# Altium PCB Shuttler_AMC.PcbDoc (part 6 of 12) (continued)
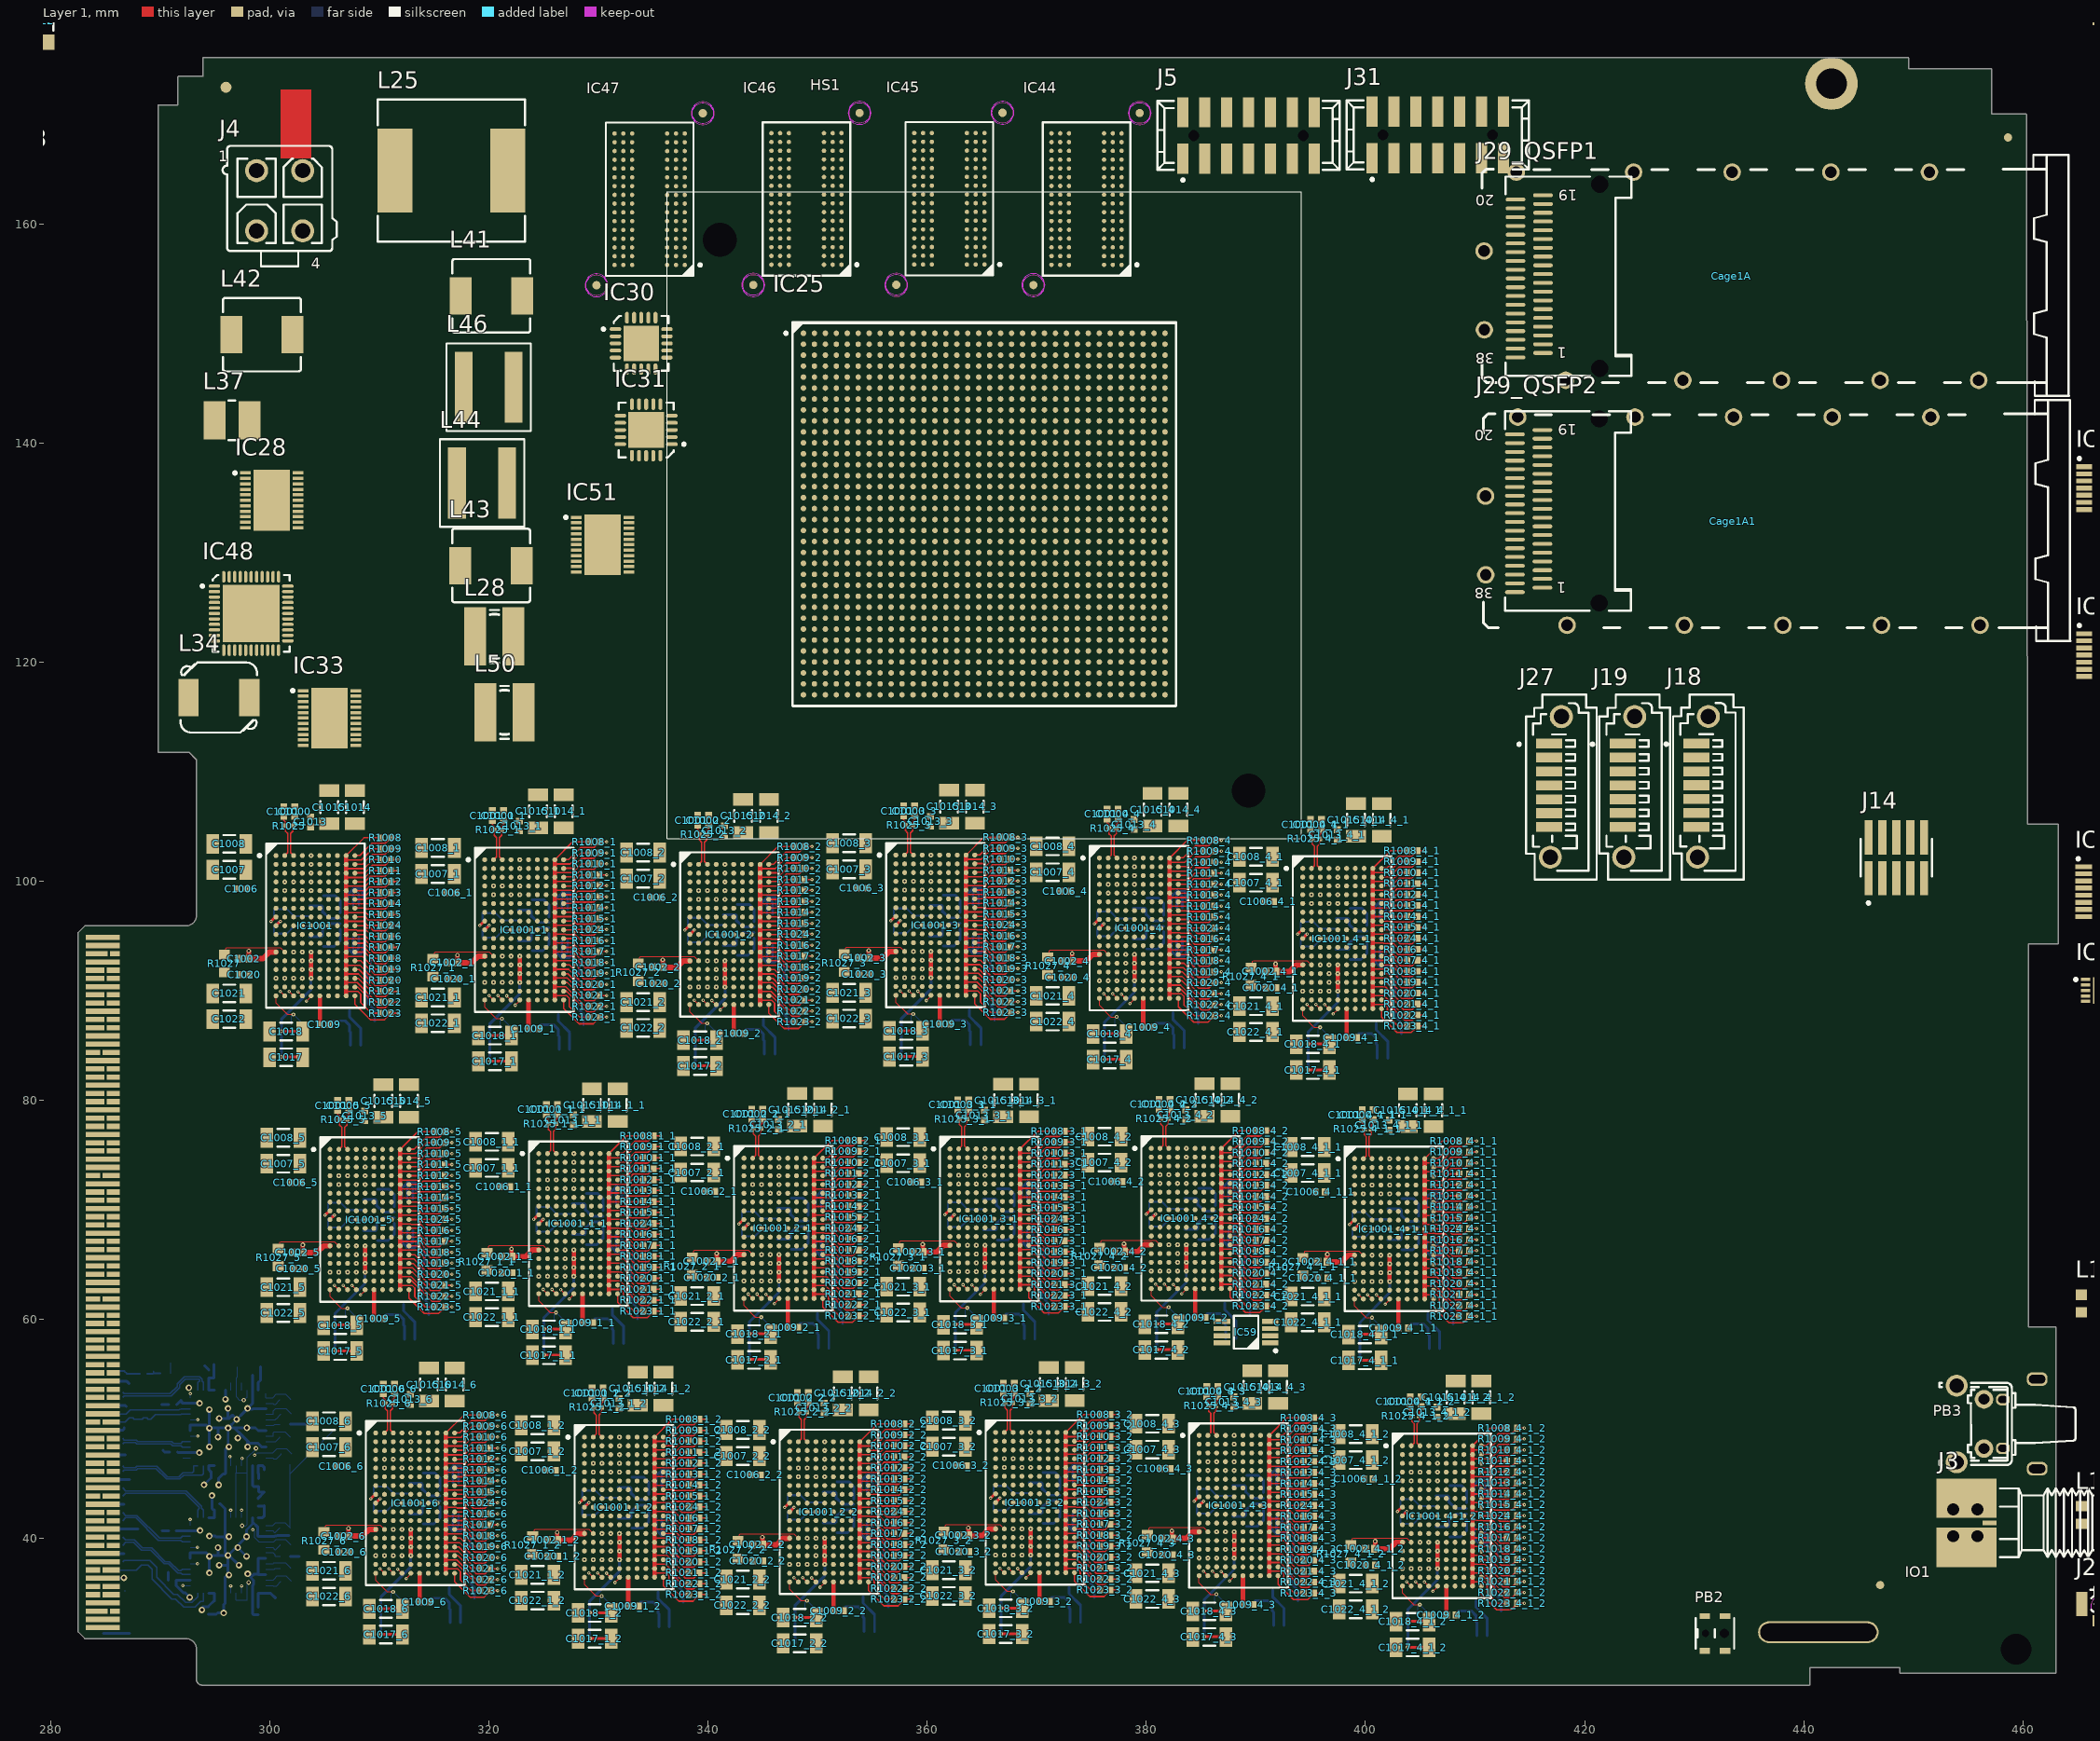
[diagram p0: Layer 1 view]
## Nets (pads, with @x,y where several pads share a name; then routed paths per layer and width w, separated by ;. In a path a pad name is that pad's centre, name@x,y a point inside that pad or via, vN(x,y) a via of type N, cw(c..) or ccw(c..) an arc to the next point about the centre after c; other vN are vias at no path point) (continued)
DAC_DATA_IN.DAC_7_15: IC25.E15
DAC_DATA_IN.DAC_8_0: IC25.D15
DAC_DATA_IN.DAC_8_1: IC25.D14
DAC_DATA_IN.DAC_8_2: IC25.C14
DAC_DATA_IN.DAC_8_3: IC25.C18
DAC_DATA_IN.DAC_8_4: IC25.C17
DAC_DATA_IN.DAC_8_5: IC25.B17
DAC_DATA_IN.DAC_8_6: IC25.B16
DAC_DATA_IN.DAC_8_7: IC25.C19
DAC_DATA_IN.DAC_8_8: IC25.B19
DAC_DATA_IN.DAC_8_9: IC25.B15
DAC_DATA_IN.DAC_8_10: IC25.A15
DAC_DATA_IN.DAC_8_11: IC25.A19
DAC_DATA_IN.DAC_8_12: IC25.A18
DAC_DATA_IN.DAC_8_13: IC25.A17
DAC_DATA_IN.DAC_8_14: IC25.B14
DAC_DATA_IN.DAC_8_15: IC25.A14
DAC_DATA_IN.DAC_9_0: IC25.H21
DAC_DATA_IN.DAC_9_1: IC25.G21
DAC_DATA_IN.DAC_9_2: IC25.H22
DAC_DATA_IN.DAC_9_3: IC25.G22
DAC_DATA_IN.DAC_9_4: IC25.F22
DAC_DATA_IN.DAC_9_5: IC25.G20
DAC_DATA_IN.DAC_9_6: IC25.F20
DAC_DATA_IN.DAC_9_7: IC25.F23
DAC_DATA_IN.DAC_9_8: IC25.F24
DAC_DATA_IN.DAC_9_9: IC25.E20
DAC_DATA_IN.DAC_9_10: IC25.E21
DAC_DATA_IN.DAC_9_11: IC25.G24
DAC_DATA_IN.DAC_9_12: IC25.F25
DAC_DATA_IN.DAC_9_13: IC25.D20
DAC_DATA_IN.DAC_9_14: IC25.D21
DAC_DATA_IN.DAC_9_15: IC25.B20
DAC_DATA_IN.DAC_10_0: IC25.B22
DAC_DATA_IN.DAC_10_1: IC25.E22
DAC_DATA_IN.DAC_10_2: IC25.E23
DAC_DATA_IN.DAC_10_3: IC25.A22
DAC_DATA_IN.DAC_10_4: IC25.D23
DAC_DATA_IN.DAC_10_5: IC25.C23
DAC_DATA_IN.DAC_10_6: IC25.D24
DAC_DATA_IN.DAC_10_7: IC25.C24
DAC_DATA_IN.DAC_10_8: IC25.A23
DAC_DATA_IN.DAC_10_9: IC25.E25
DAC_DATA_IN.DAC_10_10: IC25.D25
DAC_DATA_IN.DAC_10_11: IC25.B24
DAC_DATA_IN.DAC_10_12: IC25.A24
DAC_DATA_IN.DAC_10_13: IC25.C26
DAC_DATA_IN.DAC_10_14: IC25.B26
DAC_DATA_IN.DAC_10_15: IC25.B25
DAC_DATA_IN.DAC_11_0: IC25.A25
DAC_DATA_IN.DAC_11_1: IC25.E26
DAC_DATA_IN.DAC_11_2: IC25.D26
DAC_DATA_IN.DAC_11_3: IC25.A27
DAC_DATA_IN.DAC_11_4: IC25.A28
DAC_DATA_IN.DAC_11_5: IC25.D28
DAC_DATA_IN.DAC_11_6: IC25.C28
DAC_DATA_IN.DAC_11_7: IC25.B29
DAC_DATA_IN.DAC_11_8: IC25.A29
DAC_DATA_IN.DAC_11_9: IC25.E28
DAC_DATA_IN.DAC_11_10: IC25.D29
DAC_DATA_IN.DAC_11_11: IC25.C27
DAC_DATA_IN.DAC_11_12: IC25.B27
DAC_DATA_IN.DAC_11_13: IC25.C29
DAC_DATA_IN.DAC_11_14: IC25.F27
DAC_DATA_IN.DAC_11_15: IC25.E27
DAC_DATA_IN.DAC_12_0: IC25.D13
DAC_DATA_IN.DAC_12_1: IC25.C13
DAC_DATA_IN.DAC_12_2: IC25.E12
DAC_DATA_IN.DAC_12_3: IC25.A13
DAC_DATA_IN.DAC_12_4: IC25.A12
DAC_DATA_IN.DAC_12_5: IC25.F13
DAC_DATA_IN.DAC_12_6: IC25.E13
DAC_DATA_IN.DAC_12_7: IC25.C11
DAC_DATA_IN.DAC_12_8: IC25.B11
DAC_DATA_IN.DAC_12_9: IC25.C12
DAC_DATA_IN.DAC_12_10: IC25.B12
DAC_DATA_IN.DAC_12_11: IC25.E11
DAC_DATA_IN.DAC_12_12: IC25.D11
DAC_DATA_IN.DAC_12_13: IC25.J13
DAC_DATA_IN.DAC_12_14: IC25.H13
DAC_DATA_IN.DAC_12_15: IC25.L12
DAC_DATA_IN.DAC_13_0: IC25.J11
DAC_DATA_IN.DAC_13_1: IC25.H12
DAC_DATA_IN.DAC_13_2: IC25.G12
DAC_DATA_IN.DAC_13_3: IC25.F12
DAC_DATA_IN.DAC_13_4: IC25.H11
DAC_DATA_IN.DAC_13_5: IC25.G11
DAC_DATA_IN.DAC_13_6: IC25.G10
DAC_DATA_IN.DAC_13_7: IC25.F10
DAC_DATA_IN.DAC_13_8: IC25.L9
DAC_DATA_IN.DAC_13_9: IC25.G9
DAC_DATA_IN.DAC_13_10: IC25.F9
DAC_DATA_IN.DAC_13_11: IC25.K10
DAC_DATA_IN.DAC_13_12: IC25.J10
DAC_DATA_IN.DAC_13_13: IC25.J8
DAC_DATA_IN.DAC_13_14: IC25.H8
DAC_DATA_IN.DAC_13_15: IC25.J9
DAC_DATA_IN.DAC_14_0: IC25.H9
DAC_DATA_IN.DAC_14_1: IC25.L8
DAC_DATA_IN.DAC_14_2: IC25.K8
DAC_DATA_IN.DAC_14_3: IC25.E10
DAC_DATA_IN.DAC_14_4: IC25.D10
DAC_DATA_IN.DAC_14_5: IC25.D9
DAC_DATA_IN.DAC_14_6: IC25.C9
DAC_DATA_IN.DAC_14_7: IC25.B10
DAC_DATA_IN.DAC_14_8: IC25.A10
DAC_DATA_IN.DAC_14_9: IC25.D8
DAC_DATA_IN.DAC_14_10: IC25.C8
DAC_DATA_IN.DAC_14_11: IC25.B9
DAC_DATA_IN.DAC_14_12: IC25.A9
DAC_DATA_IN.DAC_14_13: IC25.A8
DAC_DATA_IN.DAC_14_14: IC25.F8
DAC_DATA_IN.DAC_14_15: IC25.E8
DAC_DATA_IN.DAC_15_0: IC25.AK8
DAC_DATA_IN.DAC_15_1: IC25.AL8
DAC_DATA_IN.DAC_15_2: IC25.AM9
DAC_DATA_IN.DAC_15_3: IC25.AJ9
DAC_DATA_IN.DAC_15_4: IC25.AJ8
DAC_DATA_IN.DAC_15_5: IC25.AN8
DAC_DATA_IN.DAC_15_6: IC25.AP8
DAC_DATA_IN.DAC_15_7: IC25.AK10
DAC_DATA_IN.DAC_15_8: IC25.AL9
DAC_DATA_IN.DAC_15_9: IC25.AN9
DAC_DATA_IN.DAC_15_10: IC25.AP9
DAC_DATA_IN.DAC_15_11: IC25.AL10
DAC_DATA_IN.DAC_15_12: IC25.AM10
DAC_DATA_IN.DAC_15_13: IC25.AH9
DAC_DATA_IN.DAC_15_14: IC25.AH8
DAC_DATA_IN.DAC_15_15: IC25.AD9
DAC_DATA_IN.DAC_16_0: IC25.AD8
DAC_DATA_IN.DAC_16_1: IC25.AD10
DAC_DATA_IN.DAC_16_2: IC25.AE10
DAC_DATA_IN.DAC_16_3: IC25.AG9
DAC_DATA_IN.DAC_16_4: IC25.AJ10
DAC_DATA_IN.DAC_16_5: IC25.AF10
DAC_DATA_IN.DAC_16_6: IC25.AG10
DAC_DATA_IN.DAC_16_7: IC25.AG11
DAC_DATA_IN.DAC_16_8: IC25.AH11
DAC_DATA_IN.DAC_16_9: IC25.AJ11
DAC_DATA_IN.DAC_16_10: IC25.AG12
DAC_DATA_IN.DAC_16_11: IC25.AH12
DAC_DATA_IN.DAC_16_12: IC25.AD11
DAC_DATA_IN.DAC_16_13: IC25.AE11
DAC_DATA_IN.DAC_16_14: IC25.AE12
DAC_DATA_IN.DAC_16_15: IC25.AF12
DAC_DATA_IN.DAC_17_0: IC25.AJ13
DAC_DATA_IN.DAC_17_1: IC25.AE13
DAC_DATA_IN.DAC_17_2: IC25.AF13
DAC_DATA_IN.DAC_17_3: IC25.AK13
DAC_DATA_IN.DAC_17_4: IC25.AL13
DAC_DATA_IN.DAC_17_5: IC25.AK12
DAC_DATA_IN.DAC_17_6: IC25.AL12
DAC_DATA_IN.DAC_17_7: IC25.AM12
DAC_DATA_IN.DAC_17_8: IC25.AN12
DAC_DATA_IN.DAC_17_9: IC25.AM11
DAC_DATA_IN.DAC_17_10: IC25.AN11
DAC_DATA_IN.DAC_17_11: IC25.AN13
DAC_DATA_IN.DAC_17_12: IC25.AP13
DAC_DATA_IN.DAC_17_13: IC25.AK11
DAC_DATA_IN.DAC_17_14: IC25.AP11
DAC_DATA_IN.DAC_17_15: IC25.AP10
DAC_DATA_IN.DAC_DATA_CLK_0: IC25.T23
DAC_DATA_IN.DAC_DATA_CLK_1: IC25.V22
DAC_DATA_IN.DAC_DATA_CLK_2: IC25.V23
DAC_DATA_IN.DAC_DATA_CLK_3: IC25.AB34
DAC_DATA_IN.DAC_DATA_CLK_4: IC25.AA29
DAC_DATA_IN.DAC_DATA_CLK_5: IC25.AB29
DAC_DATA_IN.DAC_DATA_CLK_6: IC25.H16
DAC_DATA_IN.DAC_DATA_CLK_7: IC25.G19
DAC_DATA_IN.DAC_DATA_CLK_8: IC25.F19
DAC_DATA_IN.DAC_DATA_CLK_9: IC25.A20
DAC_DATA_IN.DAC_DATA_CLK_10: IC25.C21
DAC_DATA_IN.DAC_DATA_CLK_11: IC25.C22
DAC_DATA_IN.DAC_DATA_CLK_12: IC25.K12
DAC_DATA_IN.DAC_DATA_CLK_13: IC25.L13
DAC_DATA_IN.DAC_DATA_CLK_14: IC25.K13
DAC_DATA_IN.DAC_DATA_CLK_15: IC25.AE8
DAC_DATA_IN.DAC_DATA_CLK_16: IC25.AF8
DAC_DATA_IN.DAC_DATA_CLK_17: IC25.AF9
DAC_I2C.SCL: IC9.6 IC52.6 IC65.8 IC66.8 IC67.8 IC68.8 IC69.8 IC70.15 IC71.14
DAC_I2C.SDA: IC9.5 IC52.5 IC65.7 IC66.7 IC67.7 IC68.7 IC69.7 IC70.14 IC71.15
DAC_REFIN: IC43.1
DAC_VOSNS: IC43.5
DACs_0_N: IC12.29
DACs_0_P: IC12.30
DACs_1_N: IC12.27
DACs_1_P: IC12.28
DDR3_64_VREF: IC18.6 IC25.AD23 IC25.AF19 IC25.AG27
DVDD1V8: 
DVDD3V3: 
DVDD18: IC61.1 IC61.2 IC61.3 IC61.4 IC61.5 IC61.13
DVDD33: IC60.1 IC60.2 IC60.3 IC60.9
DVDD_OUT: IC76.6 IC76.40 IC76.42
EN_1V2: IC31.11
EN_P0V95: IC30.11
EN_USB_JTAG: J5.13
ENABLE#_L: IC38.J11
ESDSTRIP1: 
ESDSTRIP2: 
ETH2_RGMII.RGMII2_MDC: IC25.T27 IC77.8
ETH2_RGMII.RGMII2_MDIO: IC25.R27 IC77.4
ETH2_RGMII.RGMII2_RX_CLK: IC25.P24
ETH2_RGMII.RGMII2_RX_CTL: IC25.T24
ETH2_RGMII.RGMII2_RXD0: IC25.R23
ETH2_RGMII.RGMII2_RXD1: IC25.P23
ETH2_RGMII.RGMII2_RXD2: IC25.R25
ETH2_RGMII.RGMII2_RXD3: IC25.R26
ETH2_RGMII.RGMII2_TX_CLK: IC76.53
ETH2_RGMII.RGMII2_TX_CTL: IC76.56
ETH2_RGMII.RGMII2_TXD0: IC76.50
ETH2_RGMII.RGMII2_TXD1: IC76.51
ETH2_RGMII.RGMII2_TXD2: IC76.54
ETH2_RGMII.RGMII2_TXD3: IC76.55
ETH_CFG.MDC: IC38.C9 IC77.1
ETH_CFG.MDIO: IC38.B8 IC77.11
ETH_CFG.MDIO_MODE: IC38.N1
ETH_CFG.PHY_RESETn: IC38.F5 IC76.16
EXT_REF_IN_N: IC17.6
EXT_REF_IN_P: IC17.5
FAT_PIPE1.Rx4_N: IC25.F1 J2.48
FAT_PIPE1.Rx4_P: IC25.F2 J2.47
FAT_PIPE1.Rx5_N: IC25.H1 J2.54
FAT_PIPE1.Rx5_P: IC25.H2 J2.53
FAT_PIPE1.Rx6_N: IC25.K1 J2.63
FAT_PIPE1.Rx6_P: IC25.K2 J2.62
FAT_PIPE1.Rx7_N: IC25.M1 J2.69
FAT_PIPE1.Rx7_P: IC25.M2 J2.68
FAT_PIPE1.Tx4_N: J2.45
FAT_PIPE1.Tx4_P: J2.44
FAT_PIPE1.Tx5_N: J2.51
FAT_PIPE1.Tx5_P: J2.50
FAT_PIPE1.Tx6_N: J2.60
FAT_PIPE1.Tx6_P: J2.59
FAT_PIPE1.Tx7_N: J2.66
FAT_PIPE1.Tx7_P: J2.65
FCLKAC_N: IC25.AD5
FCLKAC_P: IC25.AD6
FPGA_CCLK: IC23.16 IC24.16 IC25.AA9 IC42.4
FPGA_DONE: IC25.N7
FPGA_I2C.SCL: IC9.19 IC25.N21
FPGA_I2C.SDA: IC9.20 IC25.M21
FPGA_INIT_B: IC25.V7
FPGA_JTAG.TCK_PROG: IC25.AC9
FPGA_JTAG.TDI_PROG: IC25.V9
FPGA_JTAG.TDO_PROG: IC25.U9
FPGA_JTAG.TMS_PROG: IC25.W9
FPGA_M0: IC25.K7
FPGA_M1: IC25.L7
FPGA_M2: IC25.M7
FPGA_PROG_B: IC25.T7
FPGA_RESETn: IC25.H23 IC38.H12
FPGA_SPI_FLASH_UPD.EN_FLASH_UPDATE: IC38.J4 IC42.5 IC42.6 IC42.12 IC42.13
FPGA_SPI_FLASH_UPD.FLASH_UPD_CLK: IC38.K6 IC42.3
FPGA_SPI_FLASH_UPD.FLASH_UPD_CSB: IC38.N6 IC42.2
FPGA_SPI_FLASH_UPD.FLASH_UPD_MISO: IC38.N7 IC42.9
FPGA_SPI_FLASH_UPD.FLASH_UPD_MOSI: IC38.P7 IC42.10
FPGA_SPI_FLASH_UPD.FPGA_STATUS: IC25.K27 IC38.M5
FPGA_SPI_FLASH_UPD.MMC_FPGA_DONE: IC38.B11
FPGA_SPI_FLASH_UPD.MMC_FPGA_INIT_B: IC38.J5
FPGA_SPI_FLASH_UPD.MMC_FPGA_PROG_B: IC38.A11
FPGA_SPI_FLASH_UPD.MMC_MISO1: IC25.H26 IC38.C12
FPGA_SPI_FLASH_UPD.MMC_MOSI1: IC25.J24 IC38.A13
FPGA_SPI_FLASH_UPD.MMC_SCK1: IC25.H24 IC38.B12
FPGA_SPI_FLASH_UPD.MMC_SSEL1: IC25.J26 IC38.D11
FPGA_THERM.DXN: IC25.Y11
FPGA_THERM.DXP: IC25.Y12 IC37.3
FPGA_VBATT: IC25.AD7
GA0_R: IC38.D6
GA1_R: IC38.E6
GA2_R: IC38.A2
GND: D1.1 IC1.10 IC1.21 IC1.41 IC1.45 IC1.57 IC2.5 IC4.5 IC4.8 IC4.11 IC5.5 IC5.8 IC5.11 IC6.2 IC7.5 IC7.8 IC7.11 IC8.4 IC8.5 IC9.9 IC9.25 IC12.33 IC13.5 IC13.8 IC13.11 IC14.8 IC14.15 IC15.2 IC16.8 IC17.33 IC18.4 IC18.8 IC18.11 IC19.41 IC20.2 IC20.3 IC20.6 IC20.22 IC20.31 IC20.32 IC20.39 IC20.45 IC21.5 IC21.8 IC21.11 IC22.2 IC22.3 IC22.6 IC22.22 IC22.31 IC22.32 IC22.39 IC22.45 IC23.10 IC24.10 IC25.A1 IC25.A2 IC25.A5 IC25.A6 IC25.A7 IC25.A11 IC25.A21 IC25.A30 IC25.A31 IC25.A32 IC25.AA1 IC25.AA2 IC25.AA5 IC25.AA11 IC25.AA13 IC25.AA15 IC25.AA17 IC25.AA19 IC25.AA21 IC25.AA31 IC25.AB3 IC25.AB4 IC25.AB8 IC25.AB10 IC25.AB12 IC25.AB14 IC25.AB16 IC25.AB18 IC25.AB28 IC25.AC1 IC25.AC5 IC25.AC11 IC25.AC13 IC25.AC15 IC25.AC17 IC25.AC19 IC25.AC25 IC25.AD4 IC25.AD12 IC25.AD22 IC25.AD32 IC25.AE1 IC25.AE2 IC25.AE5 IC25.AE7 IC25.AE9 IC25.AE19 IC25.AE29 IC25.AF3 IC25.AF4 IC25.AF7 IC25.AF16 IC25.AF26 IC25.AG1 IC25.AG5 IC25.AG7 IC25.AG13 IC25.AG23 IC25.AG33 IC25.AH4 IC25.AH7 IC25.AH10 IC25.AH20 IC25.AH30 IC25.AJ1 IC25.AJ2 IC25.AJ5 IC25.AJ7 IC25.AJ17 IC25.AJ27 IC25.AK3 IC25.AK4 IC25.AK7 IC25.AK14 IC25.AK24 IC25.AK34 IC25.AL1 IC25.AL5 IC25.AL7 IC25.AL11 IC25.AL21 IC25.AL31 IC25.AM4 IC25.AM7 IC25.AM8 IC25.AM18 IC25.AM28 IC25.AN1 IC25.AN2 IC25.AN5 IC25.AN7 IC25.AN15 IC25.AN25 IC25.AP3 IC25.AP4 IC25.AP7 IC25.AP12 IC25.AP22 IC25.AP32 IC25.B3 IC25.B4 IC25.B7 IC25.B8 IC25.B18 IC25.B28 IC25.B30 IC25.B33 IC25.B34 IC25.C1 IC25.C5 IC25.C7 IC25.C15 IC25.C25 IC25.C30 IC25.C31 IC25.C32 IC25.D4 IC25.D7 IC25.D12 IC25.D22 IC25.D30 IC25.D33 IC25.D34 IC25.E1 IC25.E2 IC25.E5 IC25.E7 IC25.E9 IC25.E19 IC25.E29 IC25.E30 IC25.E31 IC25.E32 IC25.F3 IC25.F4 IC25.F7 IC25.F16 IC25.F26 IC25.F28 IC25.F29 IC25.F30 IC25.F33 IC25.F34 IC25.G1 IC25.G5 IC25.G7 IC25.G13 IC25.G23 IC25.G28 IC25.G31 IC25.G32 IC25.H4 IC25.H7 IC25.H10 IC25.H20 IC25.H28 IC25.H29 IC25.H30 IC25.H33 IC25.H34 IC25.J1 IC25.J2 IC25.J5 IC25.J7 IC25.J17 IC25.J27 IC25.J28 IC25.J31 IC25.J32 IC25.K3 IC25.K4 IC25.K14 IC25.K24 IC25.K28 IC25.K29 IC25.K30 IC25.K33 IC25.K34 IC25.L1 IC25.L5 IC25.L11 IC25.L21 IC25.L28 IC25.L31 IC25.L32 IC25.M4 IC25.M8 IC25.M10 IC25.M12 IC25.M14 IC25.M16 IC25.M18 IC25.M28 IC25.M29 IC25.M30 IC25.M33 IC25.M34 IC25.N1 IC25.N2 IC25.N5 IC25.N9 IC25.N11 IC25.N13 IC25.N15 IC25.N17 IC25.N19 IC25.N25 IC25.N28 IC25.N31 IC25.N32 IC25.P3 IC25.P4 IC25.P8 IC25.P10 IC25.P12 IC25.P14 IC25.P16 IC25.P18 IC25.P22 IC25.P28 IC25.P29 IC25.P30 IC25.P33 IC25.P34 IC25.R1 IC25.R5 IC25.R9 IC25.R11 IC25.R13 IC25.R15 IC25.R17 IC25.R19 IC25.R28 IC25.R31 IC25.R32 IC25.T4 IC25.T8 IC25.T10 IC25.T12 IC25.T14 IC25.T16 IC25.T18 IC25.T20 IC25.T26 IC25.T28 IC25.T29 IC25.T30 IC25.T33 IC25.T34 IC25.U1 IC25.U2 IC25.U5 IC25.U11 IC25.U13 IC25.U15 IC25.U17 IC25.U19 IC25.U23 IC25.U30 IC25.U31 IC25.U32 IC25.U33 IC25.V3 IC25.V4 IC25.V8 IC25.V10 IC25.V11 IC25.V14 IC25.V16 IC25.V18 IC25.V20 IC25.V30 IC25.W1 IC25.W5 IC25.W12 IC25.W13 IC25.W15 IC25.W17 IC25.W19 IC25.W27 IC25.Y4 IC25.Y8 IC25.Y10 IC25.Y14 IC25.Y16 IC25.Y18 IC25.Y20 IC25.Y24 IC25.Y34 IC26.8 IC26.19 IC26.20 IC26.24 IC26.25 IC26.26 IC26.31 IC26.36 IC26.37 IC28.23 IC29.1 IC29.6 IC29.11 IC30.12 IC30.21 IC31.12 IC31.21 IC32.3 IC33.23 IC34.4 IC34.5 IC34.6 IC35.4 IC35.5 IC35.7 IC36.4 IC37.2 IC37.7 IC38.A10 IC38.B4 IC38.C11 IC38.D13 IC38.F3 IC38.G13 IC38.H3 IC38.H4 IC38.L8 IC38.L9 IC38.L13 IC38.P4 IC39.2 IC39.3 IC39.4 IC39.7 IC40.1 IC40.3 IC41.1 IC41.6 IC41.11 IC42.7 IC43.4 IC43.8 IC43.11 IC48.2 IC48.17 IC48.42 IC48.45 IC49.6 IC50.6 IC51.23 IC52.9 IC52.25 IC53.10 IC54.2 IC55_QSFP1.1 IC55_QSFP1.3 IC55_QSFP1.8 IC55_QSFP2.1 IC55_QSFP2.3 IC55_QSFP2.8 IC56.33 IC57.5 IC57.8 IC57.11 IC59.3 IC59.4 IC59.5 IC59.8 IC62_Amplifier14.17 IC64.3 IC64.4 IC64.5 IC64.8 IC65.4 IC65.14 IC65.15 IC65.16 IC66.4 IC66.15 IC66.16 IC67.4 IC67.14 IC67.16 IC68.4 IC68.16 IC69.4 IC69.14 IC69.15 IC70.1 IC70.2 IC70.3 IC70.8 IC71.2 IC71.3 IC71.8 IC72.5 IC72.8 IC72.11 IC73.5 IC73.8 IC73.11 IC74.11 IC75.11 IC76.10 IC76.57 IC77.7 IC79.4 IC79.5 J1.5 J1.6 J2.1 J2.7 J2.10 J2.13 J2.16 J2.19 J2.22 J2.25 J2.28 J2.31 J2.34 J2.37 J2.40 J2.43 J2.46 J2.49 J2.52 J2.55 J2.58 J2.61 J2.64 J2.67 J2.70 J2.73 J2.76 J2.79 J2.82 J2.85 J2.86 J2.89 J2.92 J2.95 J2.98 J2.101 J2.104 J2.107 J2.110 J2.113 J2.116 J2.119 J2.122 J2.125 J2.128 J2.131 J2.134 J2.137 J2.140 J2.143 J2.146 J2.149 J2.152 J2.155 J2.158 J2.161 J2.164 J2.170 J4.1 J4.2 J5.3 J5.5 J5.7 J5.9 J5.11 J6.2 J7.2 J8.2 J9.2 J10.2 J11.2 J12.2 J14.3 J14.5 J14.9 J15.2 J16.2 J17.2 J18.1 J18.4 J18.7 J19.1 J19.4 J19.7 J20.2 J21.2 J22.2 J23.2 J24.2 J27.1 J27.4 J27.7 J29_QSFP1.1 J29_QSFP1.4 J29_QSFP1.7 J29_QSFP1.13 J29_QSFP1.16 J29_QSFP1.19 J29_QSFP1.20 J29_QSFP1.23 J29_QSFP1.26 J29_QSFP1.32 J29_QSFP1.35 J29_QSFP1.38 J29_QSFP2.1 J29_QSFP2.4 J29_QSFP2.7 J29_QSFP2.13 J29_QSFP2.16 J29_QSFP2.19 J29_QSFP2.20 J29_QSFP2.23 J29_QSFP2.26 J29_QSFP2.32 J29_QSFP2.35 J29_QSFP2.38 J31.1 J31.4 J31.10 J31.13 PB2.3 PB2.4 PB3.2 PB3.3 PB3.4 Q1.2 Q1.4 Q2.2 Q2.4 Q4.2 Q4.4 | length 20.3
  Layer 12 w0.254: J2.164@284.762,36.39 286.644,36.39 v3(286.689,36.435) ; J2.161@284.762,38.64 286.711,38.64 ; J2.158@284.762,40.89 287.975,40.89 ; J2.155@284.762,43.14 286.689,43.14 ; J2.152@284.762,45.39 286.65,45.39 287.204,45.39 ; J2.149@284.762,47.64 286.836,47.64 ; J2.146@284.762,49.89 286.566,49.89 286.714,50.038 286.714,50.118 ; J2.143@284.762,52.14 286.828,52.14 286.894,52.074 ; J2.140@284.762,54.39 286.923,54.39 287.141,54.172
GTP0RXC_N: IC25.AP1 J27.5
GTP0RXC_P: IC25.AP2 J27.6
GTP0TXC_N: IC25.AN3
GTP0TXC_P: IC25.AN4
GTP1RXC_N: IC25.AM1 J19.5
GTP1RXC_P: IC25.AM2 J19.6
GTP1TXC_N: IC25.AM5
GTP1TXC_P: IC25.AM6
GTP2RXC_N: IC25.AK1 J18.5
GTP2RXC_P: IC25.AK2 J18.6
GTP2TXC_N: IC25.AL3
GTP2TXC_P: IC25.AL4
GTP4TXC_N: IC25.G3
GTP4TXC_P: IC25.G4
GTP5TXC_N: IC25.J3
GTP5TXC_P: IC25.J4
GTP6TXC_N: IC25.L3
GTP6TXC_P: IC25.L4
GTP7TXC_N: IC25.N3
GTP7TXC_P: IC25.N4
GTP12TXC_N: IC25.AC3
GTP12TXC_P: IC25.AC4
GTP13TXC_N: IC25.AE3
GTP13TXC_P: IC25.AE4
GTP14TXC_N: IC25.AG3
GTP14TXC_P: IC25.AG4
GTP15TXC_N: IC25.AH5
GTP15TXC_P: IC25.AH6
Helper_DCXO_N: IC25.N26
Helper_DCXO_OE: IC25.L22
Helper_DCXO_P: IC25.P26
Helper_DCXO_SCL: IC25.L25
Helper_DCXO_SDA: IC25.K23
HMC_MISO: IC19.33 IC25.L27
HMC_MOSI: IC19.31 IC25.J23
HMC_SCK1: IC19.32 IC25.L24
HMC_SSEL: IC19.30 IC25.M27
HW_ID0: IC25.AM25
HW_ID1: IC25.AN21
HW_ID2: IC25.AK25
HW_ID3: IC25.AK21
I2C_MUX_ADDR1: IC38.L1
I2C_MUX_ADDR2: IC38.M2
I2C_SW_RESETn: IC38.E5 IC52.24
INTL_QSFP1: IC55_QSFP1.5 J29_QSFP1.28
INTL_QSFP2: IC55_QSFP2.5 J29_QSFP2.28
IO_33_RX_P17: IC75.20
IO_33_RX_P18: IC75.17
IO_33_RX_P19: IC75.15
IO_33_RX_P20: IC75.13
IO_33_TX_P17: IC74.20
IO_33_TX_P18: IC74.17
IO_33_TX_P19: IC74.15
IO_33_TX_P20: IC74.13
IOUT_U_DAC_LTC20001_N: 
IOUT_U_DAC_LTC20001_P: 
IOUT_U_DAC_LTC20002_N: 
IOUT_U_DAC_LTC20002_P: 
IOUT_U_DAC_LTC20003_N: 
IOUT_U_DAC_LTC20003_P: 
IOUT_U_DAC_LTC20004_N: 
IOUT_U_DAC_LTC20004_P: 
IOUT_U_DAC_LTC20005_N: 
IOUT_U_DAC_LTC20005_P: 
IOUT_U_DAC_LTC20006_N: 
IOUT_U_DAC_LTC20006_P: 
IOUT_U_DAC_LTC20007_N: 
IOUT_U_DAC_LTC20007_P: 
IOUT_U_DAC_LTC20008_N: 
IOUT_U_DAC_LTC20008_P: 
IOUT_U_DAC_LTC20009_N: 
IOUT_U_DAC_LTC20009_P: 
IOUT_U_DAC_LTC200010_N: 
IOUT_U_DAC_LTC200010_P: 
IOUT_U_DAC_LTC200011_N: 
IOUT_U_DAC_LTC200011_P: 
IOUT_U_DAC_LTC200012_N: 
IOUT_U_DAC_LTC200012_P: 
IOUT_U_DAC_LTC200013_N: 
IOUT_U_DAC_LTC200013_P: 
IOUT_U_DAC_LTC200014_N: 
IOUT_U_DAC_LTC200014_P: 
IOUT_U_DAC_LTC200015_N: 
IOUT_U_DAC_LTC200015_P: 
IOUT_U_DAC_LTC200016_N: 
IOUT_U_DAC_LTC200016_P: 
IOUT_U_DAC_LTC200017_N: 
IOUT_U_DAC_LTC200017_P: 
IOUT_U_DAC_LTC200018_N: 
IOUT_U_DAC_LTC200018_P: 
IPMB.SCL_L: IC38.L3 J2.56
IPMB.SDA_L: IC38.M1 J2.71
ISP_RSTn_SW: 
LDO5: IC48.23 IC48.34 IC48.44
LPC_ISPn_SW: IC38.M13
LPC_RST: IC38.J1 J14.10
LPMode_QSFP1: IC55_QSFP1.10 J29_QSFP1.31
LPMode_QSFP2: IC55_QSFP2.10 J29_QSFP2.31
Main_DCXO_N: IC56.2
Main_DCXO_OE: IC25.P25
Main_DCXO_P: IC56.1
Main_DCXO_SCL: IC25.N23
Main_DCXO_SDA: IC25.N27
MDI0_N: IC76.27 J31.3
MDI0_P: IC76.28 J31.2
MDI1_N: IC76.23 J31.6
MDI1_P: IC76.24 J31.5
MDI2_N: IC76.21 J31.9
MDI2_P: IC76.22 J31.8
MDI3_N: IC76.17 J31.12
MDI3_P: IC76.18 J31.11
MGTAVCC: IC25.AC6 IC25.AE6 IC25.AG6 IC25.AJ6 IC25.AL6 IC25.AN6 IC25.C6 IC25.E6 IC25.G6 IC25.J6 IC25.L6 IC25.N6 IC25.U6 IC25.W6 L18.2
MGTAVTT: IC25.AC2 IC25.AD3 IC25.AG2 IC25.AH3 IC25.AL2 IC25.AM3 IC25.AP6 IC25.C2 IC25.D3 IC25.G2 IC25.H3 IC25.L2 IC25.M3 IC25.R2 IC25.T3 IC25.W2 IC25.Y3 L24.2
MGTREF: IC25.AP5
MGTVCCAUX: IC25.AA6 IC25.R6 L45.1
MISO_0: IC65.5
MISO_4: IC66.5
MISO_8: IC67.5
MISO_12: IC68.5
MISO_16: IC69.5
MLVDS_AMC_PORTS.Rx17_N: J2.141
MLVDS_AMC_PORTS.Rx17_P: J2.142
MLVDS_AMC_PORTS.Rx18_N: J2.147
MLVDS_AMC_PORTS.Rx18_P: J2.148
MLVDS_AMC_PORTS.Rx19_N: J2.153
MLVDS_AMC_PORTS.Rx19_P: J2.154
MLVDS_AMC_PORTS.Rx20_N: J2.159
MLVDS_AMC_PORTS.Rx20_P: J2.160
MLVDS_AMC_PORTS.Tx17_N: IC10_1.10 J2.144 | length 7.2
  Layer 12 w0.108: J2.144@285.712,51.39 286.898,51.39 287.259,51.751 291.715,51.751 291.744,51.78 291.821,51.78 291.894,51.854 IC10_1.10@292.75,51.854
MLVDS_AMC_PORTS.Tx17_P: IC10_1.9 J2.145 | length 7.5
  Layer 12 w0.108: J2.145@285.712,50.64 286.801,50.64 287.184,51.024 287.503,51.024 287.615,50.911 288.358,50.911 288.471,51.024 288.789,51.024 288.902,50.911 289.117,50.911 289.544,51.338 291.886,51.338 291.901,51.354 IC10_1.9@292.75,51.354
MLVDS_AMC_PORTS.Tx18_N: J2.150
MLVDS_AMC_PORTS.Tx18_P: J2.151
MLVDS_AMC_PORTS.Tx19_N: J2.156
MLVDS_AMC_PORTS.Tx19_P: J2.157
MLVDS_AMC_PORTS.Tx20_N: J2.162
MLVDS_AMC_PORTS.Tx20_P: IC11_1.47 J2.163 | length 11.5
  Layer 12 w0.108: J2.163@285.712,37.14 287.823,37.14 288.292,37.609 288.862,37.609 289.266,37.206 289.266,36.298 291.06,34.503 291.391,34.503 292.139,33.756 293.17,33.756 293.698,34.284 293.905,34.284 293.934,34.313 IC11_1.47@293.934,35.02
MLVDS_FPGA.IO_RX_P17: IC25.AP15 IC75.1
MLVDS_FPGA.IO_RX_P18: IC25.AM16 IC75.4
MLVDS_FPGA.IO_RX_P19: IC25.AM15 IC75.6
MLVDS_FPGA.IO_RX_P20: IC25.AN18 IC75.8
MLVDS_FPGA.IO_TX_P17: IC25.AM19 IC74.1
MLVDS_FPGA.IO_TX_P18: IC25.AL14 IC74.4
MLVDS_FPGA.IO_TX_P19: IC25.AM14 IC74.6
MLVDS_FPGA.IO_TX_P20: IC25.AP16 IC74.8
MLVDS_FPGA.RE_DE_RX_P17: IC25.AP18 IC75.3
MLVDS_FPGA.RE_DE_RX_P18: IC25.AJ19 IC75.5
MLVDS_FPGA.RE_DE_RX_P19: IC25.AN14 IC75.7
MLVDS_FPGA.RE_DE_RX_P20: IC25.AP14 IC75.9
MLVDS_FPGA.RE_DE_TX_P17: IC25.AN17 IC74.3
MLVDS_FPGA.RE_DE_TX_P18: IC25.AM17 IC74.5
MLVDS_FPGA.RE_DE_TX_P19: IC25.AN16 IC74.7
MLVDS_FPGA.RE_DE_TX_P20: IC25.AN19 IC74.9
MLVDS_FSEN: IC25.G25
MMC_CONSOLE.ISP_RSTn: 
MMC_CONSOLE.LPC_ISPn: IC49.4
MMC_CONSOLE.MMC_CONS_PROG_RxD: IC38.A3 IC49.2
MMC_CONSOLE.MMC_CONS_PROG_TxD: IC38.D5 IC49.3
MMC_I2C.SCL: IC38.N11 IC52.19
MMC_I2C.SDA: IC38.M10 IC52.20
MMC_RESETn: IC6.1
MMC_TCK: IC16.11
MMC_TCK_SW: IC38.D2 J14.4
MMC_TDI: IC16.2
MMC_TDI_SW: IC38.C3 J14.8
MMC_TDO: IC16.5
MMC_TDO_SW: IC38.B1 J14.6
MMC_TMS: IC16.14
MMC_TMS_SW: IC38.C2 J14.2
MMC_TRSTn: 
MMC_TRSTn_SW: IC38.D4
MMC_UART4_RxD: IC14.2 IC38.G10
MMC_UART4_TxD: IC14.5 IC38.C4
MOD_HANDLE: IC38.B14 PB2.1 PB2.2
ModPrsL_QSFP1: IC55_QSFP1.7 J29_QSFP1.27
ModPrsL_QSFP2: IC55_QSFP2.7 J29_QSFP2.27
ModSelL_QSFP1: IC55_QSFP1.6 J29_QSFP1.8
ModSelL_QSFP2: IC55_QSFP2.6 J29_QSFP2.8
MOSI_0: IC65.6
MOSI_4: IC66.6
MOSI_8: IC67.6
MOSI_12: IC68.6
MOSI_16: IC69.6
MP_XTAL1: IC38.K4 Q3.2
MP_XTAL2: IC38.L2 Q3.1
MRn: IC6.3
MRnR: 
N3V0: IC79.7 IC79.8
N3V3: 
N3V5: L49.1 L50.2
N3VA: L30_Amplifier14.1
NetC11_2: IC1.5 L3.2
NetC12_2: IC1.9 L2.2
NetC13_2: IC5.1 IC5.2 IC5.3 IC5.6 L6.2
NetC15_1: IC5.7
NetC16_1: 
NetC18_2: IC13.1 IC13.2 IC13.3 IC13.6 L7.2
NetC20_1: J3.1
NetC20_2: 
NetC21_1: 
NetC24_2: IC4.1 IC4.2 IC4.3 IC4.6 L4.2
NetC120_2: 
NetC122_2: J3.2
NetC123_1: IC4.7
NetC124_2: IC7.1 IC7.2 IC7.3 IC7.6 L13.2
NetC125_2: IC19.23
NetC127_2: 
NetC128_2: IC19.4
NetC129_2: 
NetC134_2: IC12.4
NetC135_2: IC17.4
NetC136_2: IC19.15
NetC137_2: 
NetC138_2: IC12.7
NetC139_2: IC19.25 IC19.27 L5.1
NetC142_1: IC19.40
NetC162_2: IC19.16
NetC165_1: IC13.7
NetC166_2: IC21.1 IC21.2 IC21.3 IC21.6 L32.2
NetC168_1: IC21.7
NetC173_2: IC20.14
NetC174_2: IC22.14
NetC175_2: IC20.15
NetC176_2: IC22.15
NetC177_2: IC20.17
NetC178_2: IC22.17
NetC225_1: IC7.7
NetC227_2: IC17.7
NetC246_2: IC6.4
NetC267_1: IC28.1
NetC268_1: IC57.7
NetC275_1: J7.1
NetC276_1: J6.1
NetC279_2: IC49.12
NetC282_1: 
NetC284_2: IC56.4
NetC291_2: IC56.7
NetC296_1: IC33.19
NetC299_2: IC1.4 Q1.1
NetC300_2: IC1.3 Q1.3
NetC305_2: IC15.1 IC15.4 L1.2
NetC330_2: 
NetC331_2: L15.2
NetC333_1: 
NetC334_1: 
NetC337_2: L27.2
NetC339_1: 
NetC340_1: 
NetC405_1: IC30.15
NetC409_2: IC31.15
NetC425_2: IC48.3
NetC427_2: 
NetC430_1: IC33.1
NetC433_1: IC51.19
NetC435_2: 
NetC438_1: IC51.1
NetC481_2: IC72.1 IC72.2 IC72.3 IC72.6 L47.2
NetC482_2: IC72.9 IC72.10
NetC483_1: IC72.7 IC73.7
NetC484_2: IC73.1 IC73.2 IC73.3 IC73.6 L48.2
NetC485_2: IC73.9 IC73.10
NetC490_1: IC79.1 IC79.2 IC79.3 IC79.9 L49.2
NetC493_2: IC43.6
NetC497_1: 
NetC497_2: L50.1
NetC556_2: 
NetC586_1: IC76.41
NetC586_2: IC76.37
NetC601_2: IC76.33 Q4.3
NetC607_2: J23.1
NetC608_2: J22.1
NetC609_2: J20.1
NetC610_2: J21.1
NetC626_1: 
NetC627_1: 
NetC685_2: J16.1
NetC686_2: J17.1
NetC708_2: IC54.4
NetD16_2: 
NetD25_2: 
NetD27_2: IC48.40
NetIC1_1: IC1.1 IC2.1
NetIC1_6: IC1.6
NetIC1_20: IC1.20
NetIC1_22: IC1.22 IC50.10
NetIC1_23: IC1.23 IC50.9
NetIC1_42: IC1.42
NetIC1_46: IC1.46
NetIC1_47: IC1.47
NetIC1_49: IC1.49
NetIC1_55: IC1.55 IC2.3
NetIC1_56: IC1.56 IC2.2
NetIC2_4: IC2.4
NetIC9_18: IC9.18
NetIC9_22: IC9.22
NetIC9_23: IC9.23
NetIC9_24: IC9.24
NetIC10_26: 
NetIC10_29: 
NetIC10_33: 
NetIC10_36: 
NetIC11_26: 
NetIC11_29: 
NetIC11_33: 
NetIC11_36: 
NetIC12_3: IC12.3
NetIC12_8: IC12.8
NetIC12_32: IC12.32
NetIC14_4: IC14.4
NetIC14_7: IC14.7
NetIC15_3: IC15.3 L26.1
NetIC15_5: IC15.5
NetIC16_1: IC16.1
NetIC16_15: IC16.15
NetIC17_3: IC17.3
NetIC17_8: IC17.8
NetIC17_29: IC17.29
NetIC20_16: IC20.16
NetIC20_18: IC20.18
NetIC22_16: IC22.16
NetIC22_18: IC22.18
NetIC25_K20: IC25.K20
NetIC25_K22: IC25.K22
NetIC25_M22: IC25.M22
NetIC25_N22: IC25.N22
NetIC25_P20: IC25.P20
NetIC25_P21: IC25.P21
NetIC26_21: IC26.21
NetIC28_3: IC28.3
NetIC28_20: IC28.20
NetIC28_21: IC28.21
NetIC28_22: IC28.22
NetIC29_3: IC29.3
NetIC29_5: IC29.5
NetIC30_16: IC30.16
NetIC31_16: IC31.16
NetIC32_2: IC32.2 IC40.2
NetIC33_20: IC33.20
NetIC33_21: IC33.21
NetIC33_22: IC33.22
NetIC38_L10: IC38.L10
NetIC38_P12: IC38.P12
NetIC41_5: IC41.5
NetIC45_L8: 
NetIC46_L8: 
NetIC47_L8: 
NetIC48_9: IC48.9
NetIC48_10: IC48.10
NetIC48_14: IC48.14
NetIC48_15: IC48.15
NetIC48_22: IC48.22
NetIC48_28: IC48.28
NetIC48_33: IC48.33
NetIC48_39: IC48.39
NetIC48_43: IC48.43
NetIC49_5: IC49.5
NetIC49_7: IC49.7
NetIC49_8: IC49.8
NetIC49_9: IC49.9
NetIC49_10: IC49.10
NetIC50_12: IC50.12
NetIC51_20: IC51.20
NetIC51_21: IC51.21
NetIC51_22: IC51.22
NetIC52_18: IC52.18
NetIC52_22: IC52.22
NetIC52_23: IC52.23
NetIC53_1: IC53.1
NetIC53_9: IC53.9
NetIC54_5: IC54.5
NetIC55_QSFP1_11: IC55_QSFP1.11
NetIC55_QSFP1_12: IC55_QSFP1.12
NetIC55_QSFP2_11: IC55_QSFP2.11
NetIC55_QSFP2_12: IC55_QSFP2.12
NetIC56_3: IC56.3
NetIC56_8: IC56.8
NetIC62_Amplifier1_1: 
NetIC62_Amplifier1_2: 
NetIC62_Amplifier1_3: 
NetIC62_Amplifier1_4: 
NetIC62_Amplifier1_5: 
NetIC62_Amplifier1_12: 
NetIC62_Amplifier1_13: 
NetIC62_Amplifier2_1: 
NetIC62_Amplifier2_2: 
NetIC62_Amplifier2_3: 
NetIC62_Amplifier2_4: 
NetIC62_Amplifier2_5: 
NetIC62_Amplifier2_12: 
NetIC62_Amplifier2_13: 
NetIC62_Amplifier3_1: 
NetIC62_Amplifier3_2: 
NetIC62_Amplifier3_3: 
NetIC62_Amplifier3_4: 
NetIC62_Amplifier3_5: 
NetIC62_Amplifier3_12: 
NetIC62_Amplifier3_13: 
NetIC62_Amplifier4_1: 
NetIC62_Amplifier4_2: 
NetIC62_Amplifier4_3: 
NetIC62_Amplifier4_4: 
NetIC62_Amplifier4_5: 
NetIC62_Amplifier4_12: 
NetIC62_Amplifier4_13: 
NetIC62_Amplifier5_1: 
NetIC62_Amplifier5_2: 
NetIC62_Amplifier5_3: 
NetIC62_Amplifier5_4: 
NetIC62_Amplifier5_5: 
NetIC62_Amplifier5_12: 
NetIC62_Amplifier5_13: 
NetIC62_Amplifier6_1: 
NetIC62_Amplifier6_2: 
NetIC62_Amplifier6_3: 
NetIC62_Amplifier6_4: 
NetIC62_Amplifier6_5: 
NetIC62_Amplifier6_12: 
NetIC62_Amplifier6_13: 
NetIC62_Amplifier7_1: 
NetIC62_Amplifier7_2: 
NetIC62_Amplifier7_3: 
NetIC62_Amplifier7_4: 
NetIC62_Amplifier7_5: 
NetIC62_Amplifier7_12: 
NetIC62_Amplifier7_13: 
NetIC62_Amplifier8_1: 
NetIC62_Amplifier8_2: 
NetIC62_Amplifier8_3: 
NetIC62_Amplifier8_4: 
NetIC62_Amplifier8_5: 
NetIC62_Amplifier8_12: 
NetIC62_Amplifier8_13: 
NetIC62_Amplifier9_1: 
NetIC62_Amplifier9_2: 
NetIC62_Amplifier9_3: 
NetIC62_Amplifier9_4: 
NetIC62_Amplifier9_5: 
NetIC62_Amplifier9_12: 
NetIC62_Amplifier9_13: 
NetIC62_Amplifier10_1: 
NetIC62_Amplifier10_2: 
NetIC62_Amplifier10_3: 
NetIC62_Amplifier10_4: 
NetIC62_Amplifier10_5: 
NetIC62_Amplifier10_12: 
NetIC62_Amplifier10_13: 
NetIC62_Amplifier11_1: 
NetIC62_Amplifier11_2: 
NetIC62_Amplifier11_3: 
NetIC62_Amplifier11_4: 
NetIC62_Amplifier11_5: 
NetIC62_Amplifier11_12: 
NetIC62_Amplifier11_13: 
NetIC62_Amplifier12_1: 
NetIC62_Amplifier12_2: 
NetIC62_Amplifier12_3: 
NetIC62_Amplifier12_4: 
NetIC62_Amplifier12_5: 
NetIC62_Amplifier12_12: 
NetIC62_Amplifier12_13: 
NetIC62_Amplifier13_1: 
NetIC62_Amplifier13_2: 
NetIC62_Amplifier13_3: 
NetIC62_Amplifier13_4: 
NetIC62_Amplifier13_5: 
NetIC62_Amplifier13_12: 
NetIC62_Amplifier13_13: 
NetIC62_Amplifier14_1: IC62_Amplifier14.1
NetIC62_Amplifier14_2: IC62_Amplifier14.2
NetIC62_Amplifier14_3: IC62_Amplifier14.3
NetIC62_Amplifier14_4: IC62_Amplifier14.4
NetIC62_Amplifier14_5: IC62_Amplifier14.5 IC62_Amplifier14.6 IC62_Amplifier14.7 IC62_Amplifier14.8 L29_Amplifier14.1
NetIC62_Amplifier14_12: IC62_Amplifier14.12
NetIC62_Amplifier14_13: IC62_Amplifier14.13 IC62_Amplifier14.14 IC62_Amplifier14.15 IC62_Amplifier14.16 L30_Amplifier14.2
NetIC62_Amplifier15_1: 
NetIC62_Amplifier15_2: 
NetIC62_Amplifier15_3: 
NetIC62_Amplifier15_4: 
NetIC62_Amplifier15_5: 
NetIC62_Amplifier15_12: 
NetIC62_Amplifier15_13: 
NetIC62_Amplifier16_1: 
NetIC62_Amplifier16_2: 
NetIC62_Amplifier16_3: 
NetIC62_Amplifier16_4: 
NetIC62_Amplifier16_5: 
NetIC62_Amplifier16_12: 
NetIC62_Amplifier16_13: 
NetIC62_Amplifier17_1: 
NetIC62_Amplifier17_2: 
NetIC62_Amplifier17_3: 
NetIC62_Amplifier17_4: 
NetIC62_Amplifier17_5: 
NetIC62_Amplifier17_12: 
NetIC62_Amplifier17_13: 
NetIC62_Amplifier18_1: 
NetIC62_Amplifier18_2: 
NetIC62_Amplifier18_3: 
NetIC62_Amplifier18_4: 
NetIC62_Amplifier18_5: 
NetIC62_Amplifier18_12: 
NetIC62_Amplifier18_13: 
NetIC76_12: IC76.12
NetIC76_13: IC76.13
NetIC76_14: IC76.14
NetIC76_15: IC76.15
NetIC76_30: IC76.30
NetIC76_34: IC76.34 Q4.1
NetIC76_43: IC76.43
NetIC76_44: IC76.44
NetIC76_45: IC76.45
NetIC76_46: IC76.46
NetIC76_47: IC76.47
NetIC76_48: IC76.48
NetIC77_12: IC77.12 IC77.13
NetIC78_4: 
NetIC78_5: 
NetIC79_6: IC79.6
NetIC?_U_DAC_LTC20001_M2: 
NetIC?_U_DAC_LTC20002_M2: 
NetIC?_U_DAC_LTC20003_M2: 
NetIC?_U_DAC_LTC20004_M2: 
NetIC?_U_DAC_LTC20005_M2: 
NetIC?_U_DAC_LTC20006_M2: 
NetIC?_U_DAC_LTC20007_M2: 
NetIC?_U_DAC_LTC20008_M2: 
NetIC?_U_DAC_LTC20009_M2: 
NetIC?_U_DAC_LTC200010_M2: 
NetIC?_U_DAC_LTC200011_M2: 
NetIC?_U_DAC_LTC200012_M2: 
NetIC?_U_DAC_LTC200013_M2: 
NetIC?_U_DAC_LTC200014_M2: 
NetIC?_U_DAC_LTC200015_M2: 
NetIC?_U_DAC_LTC200016_M2: 
NetIC?_U_DAC_LTC200017_M2: 
NetIC?_U_DAC_LTC200018_M2: 
NetJ2_6: J2.6
NetJ2_8: J2.8
NetJ5_14: J5.14
NetJ24_1: J24.1
NetLD1_2: 
NetLD2_2: 
NetLD3_QSFP1_1: 
NetLD3_QSFP2_1: 
NetLD5_2: 
NetLD6_QSFP1_1: 
NetLD6_QSFP2_1: 
NetLD7_1: 
NetLD7_2: 
NetLD8_1: 
NetLD8_2: 
NetLD9_1: 
NetLD9_2: 
NetLD10_2: 
NetLD11_1: 
NetLD11_2: 
NetLD14_1: 
NetLD15_1: 
NetLD16_2: 
NetLD17_2: 
NetLD21_1: 
NetLD22_2: 
NetOSC3_1: 
NetOSC3_2: 
NetOSC3_4: 
NetOSC4_1: 
NetOSC4_2: 